# KiCad board BMEK_Solder.kicad_pcb (continued)
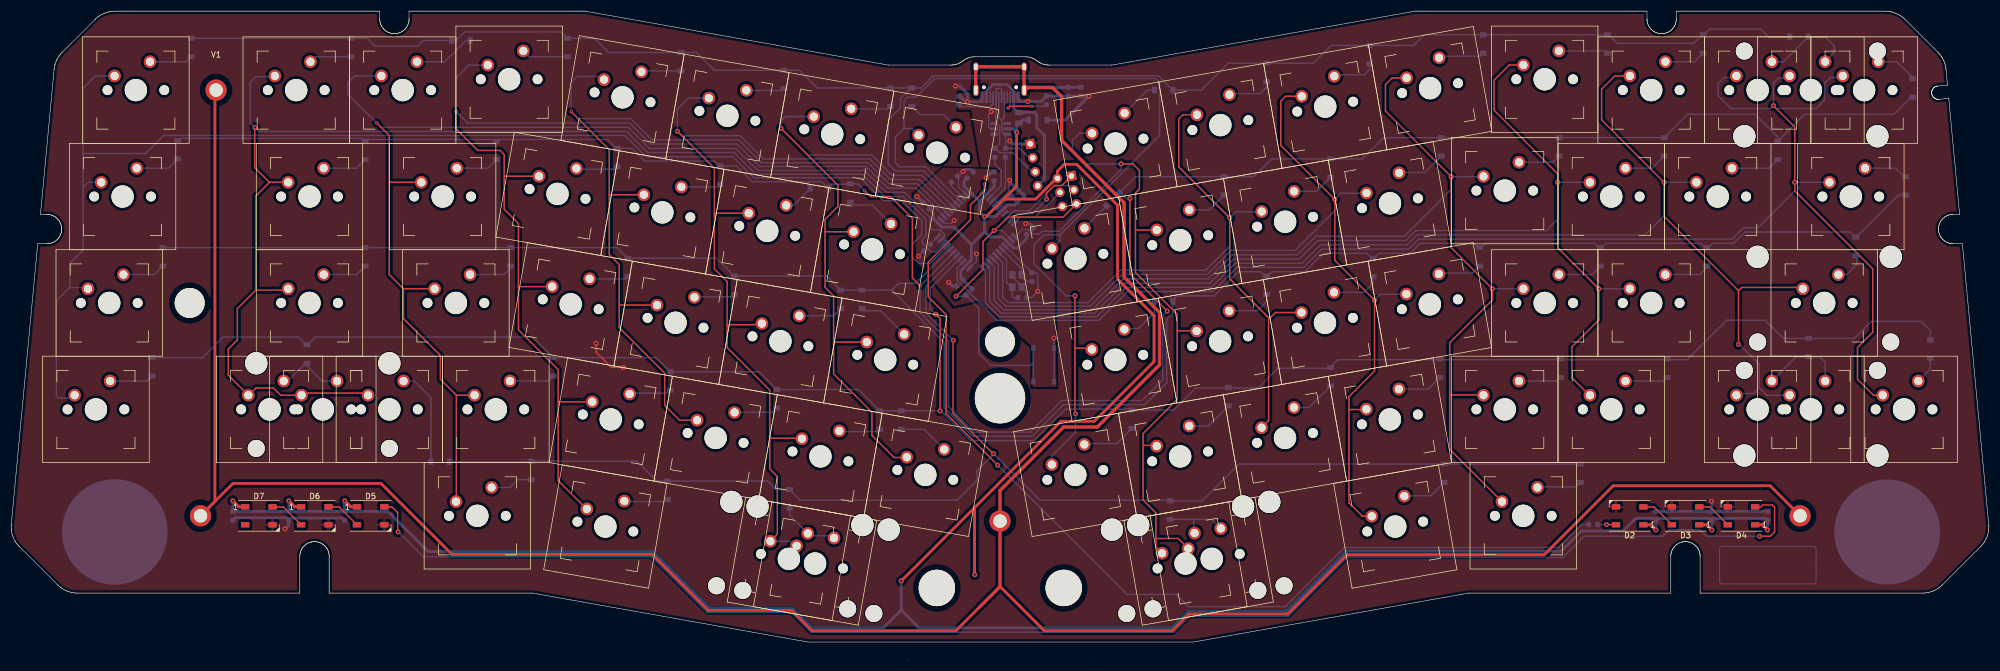
[diagram p0: board, top side]
## Routing (per net, layer and track width the routed paths; a pad name or vN(x,y) marks a point on that pad's centre or on a via; arc(x,y) is an arc through that point)
GND: length 145.7
  Front w0.254: v1(104.65,56.64) 104.65,55.07 107.37,52.35 v1(109.5,52.35)
  Back w0.254: SW1.1 SW1.1 ; U1.43 169.5,84.66 169.5,86.64 v1(170.29,87.42) ; 172.7,72.72 v1(172.7,72.67) 172.7,71.35 171.47,70.12 ; 180.81,66.58 181.69,65.71 C1.1 182.55,64.82 183.67,65.94 v1(183.67,65.96) 183.67,69.01 183.37,69.31 C2.2 177.87,74.08 U1.15 ; U2.2 175.16,95.04 174.86,95.35 174.86,97.64 v1(175.34,98.12) ; v1(304.22,28.37) 304.26,28.33 ; v1(178.64,85.85) 178.52,85.72 178.52,83.94 176.15,81.58 ; 179.11,68.59 180.81,66.89 ; v1(186.58,57.59) 186.58,55.79 ; v1(168.71,78.64) 168.2,78.13 166.98,78.13 166.37,78.75 ; R7.2 v1(162.32,72.26)
  Back w0.508: 169.13,66.88 168.43,66.88 v1(167.72,67.59) ; 304.26,28.33 C13.1 ; C13.1 C14.1 ; C13.1 C12.1 ; v1(192.82,100.89) 188.55,96.62 D1.2 ; v1(178.64,85.85) 178.64,85.57 180.03,84.18 ; 173.7,100.24 173.36,99.9 v1(171.12,99.9) ; C5.2 C3.1 ; R3.2 169.77,100.9 170.74,99.92 171.1,99.92 v1(171.12,99.9) ; v1(168.94,102.72) 169.7,102.72 171.12,101.29 v1(171.12,99.9) ; v1(174.43,86.28) 175.47,87.32 ; v1(181.51,78.08) 182.27,78.08 182.78,77.57 ; 192.82,100.91 C11.1 R5.1 R4.2 184.23,99.95 v1(181.87,99.95) 180.52,99.95 180.15,100.32 ; 59.28,25.37 50.04,25.37 ; C10.2 171.76,87.73 170.59,87.73 v1(170.29,87.42) ; C9.2 v1(162.07,82.93) ; C17.1 40.09,25.42 49.22,25.42 C16.1 49.66,24.1 v1(49,23.44) ; v1(178.64,92.89) 179.18,92.35 J1.1
VBUS: length 28.1
  Back w0.508: 180.17,97.94 179.38,98.73 179.38,101.04 ; 180.09,98.02 183.01,98.02 183.49,97.53 183.49,95.27 184.87,93.9 184.87,86.06 J1.4 ; 174.44,101.04 174.44,101.74 175.67,102.97 178.19,102.97 179.38,101.78 179.38,101.07
VCC: length 536.4
  Front w0.508: 172.36,27.24 172.36,15.28 v1(172.39,15.24) ; 172.36,27.24 v1(159.24,14.12) ; 172.36,27.24 187.81,42.7 193.78,42.7 204.47,53.39 204.47,61.62 197.95,68.15 197.95,81.38 190.63,88.69 188.42,88.69 187.19,87.46 J2.2 ; v1(174.13,79.37) 174.48,79.37 177.58,82.47 ; D6.1 50.75,27.38 v1(49.66,28.47) ; 177.58,82.47 179.89,84.78 179.89,94.38 v1(179.91,94.41) ; 177.58,82.47 183.29,82.47 186.99,86.17 ; D7.1 40.75,27.38 v1(39.65,28.47) ; v1(294.26,23.24) 293.32,24.18 D2.1 ; v1(59.67,28.47) 60.76,27.38 D5.1 ; v1(314.23,23.24) 313.29,24.18 D4.1 ; v1(304.27,23.24) 303.33,24.18 D3.1
  Back w0.254: 172.67,75.18 171.78,74.29 ; v1(294.26,23.24) 294.26,23.25 ; 171.78,74.36 171.85,74.36 ; v1(314.23,23.24) 314.26,23.27 ; v1(304.27,23.24) 304.26,23.25
  Back w0.508: 177.24,80.44 176.17,79.37 v1(174.13,79.37) ; C7.1 181.67,75.36 180.03,73.72 179.34,73.72 178.42,74.65 ; U2.5 179.28,95.04 v1(179.91,94.41) 179.91,95.81 180.37,96.26 ; 165.8,78.18 166.51,77.47 168.67,77.47 171.78,74.36 ; C15.2 C16.2 ; C15.2 59.66,28.46 ; C15.2 67.42,26.57 74.58,19.4 114.81,19.4 124.92,9.29 139.81,9.29 143.39,5.71 156.04,5.71 159.24,8.91 ; C16.2 49.66,28.47 ; C16.2 C17.2 ; v1(174.13,79.37) 174.13,76.64 ; v1(174.13,79.37) 173.26,80.25 173.26,82.12 ; 174.13,76.64 175.09,75.69 177.34,75.69 U1.14 ; 174.13,76.64 171.85,74.36 ; C10.1 170.46,85.67 170.46,84.83 U1.44 ; C9.1 164.99,80.01 164.99,78.99 U1.34 ; C5.1 179.47,81.4 178.26,81.4 177.3,80.44 ; 304.26,23.25 C13.2 ; 159.24,8.91 v1(159.24,14.12) 159.36,13.99 ; 159.24,8.91 162.44,5.71 207.62,5.71 210.62,8.71 228.17,8.71 238.89,19.43 277.3,19.43 280.93,23.06 288.4,23.06 290.66,25.32 293.81,25.32 294.14,24.99 ; 180.57,96.24 180.98,96.64 182.02,96.64 ; 175.85,85.72 175.85,84.71 174.42,83.28 ; 169.9,68.33 169.9,69.68 170.89,70.67 ; 171.46,83.84 173.23,82.07 173.23,82.09 174.41,83.27 ; U1.24 171.78,71.58 171.78,74.29 ; v1(39.65,28.47) 39.65,26.57 ; 303.92,25.32 294.59,25.32 ; 314.26,23.27 C14.2 ; 294.26,23.25 C12.2 ; 313.92,25.32 304.59,25.32 ; 170.31,67.99 R6.1
  Back w0.6: 49.66,28.47 v1(49.66,28.47) ; 59.66,28.46 v1(59.67,28.47)
COL0: length 246.2
  Back w0.254: 12.85,90.62 12.85,73.35 10.47,70.97 10.47,66.65 8.09,64.27 8.09,47.31 8.55,46.85 10.84,46.85 ; 12.85,90.62 24.03,90.62 27.26,93.85 109.81,93.85 113.62,90.04 129.11,90.04 132.87,86.28 151.92,86.28 156.04,82.17 159.34,82.17 162.89,78.61 162.89,76.07 161.24,74.42 161.24,72.07 162.37,70.94 164.36,70.94 U1.30 ; 12.85,90.62 12.85,102.31 15.07,104.52 MX_0_0.1 ; MX_1_0.1 13.8,85.47 12.85,84.53 ; 10.44,66.62 13.53,66.62
COL1: length 233.9
  Front w0.254: 52.23,47.75 63.47,47.75 ; MX_3_1.1 48.21,47.37 46.91,48.68 43.82,48.68 42.51,47.37 ; 43.77,66.16 43.77,83.02 46.22,85.47 ; 43.77,66.16 40.47,62.86 40.47,57.25 38.85,55.64 38.85,50.94 MX_3_1b1.1 ; 43.77,66.16 49.31,66.16 ; 46.22,85.47 MX_1_1.1 ; 46.22,85.47 46.21,85.47 43.57,88.11 43.57,95.21 v1(43.63,95.27)
  Back w0.254: 47.04,104.38 43.77,104.38 42.78,103.39 42.78,96.11 43.62,95.27 v1(43.63,95.27) 44.31,94.59 110.09,94.59 113.87,90.8 129.37,90.8 133.25,86.92 152.3,86.92 156.29,82.93 159.59,82.93 163.66,78.86 163.66,75.88 163.02,75.25 163.02,74.61 164.61,73.02 165.31,73.02 U1.31
COL2: length 216.1
  Front w0.254: 67.64,85.47 67.64,68.96 70.18,66.42 ; 67.64,85.47 67.64,93.85 v2(65.41,96.09) ; 67.64,85.47 MX_1_2.1 ; 79.65,47.37 79.65,28.37 ; 79.65,47.37 76.79,50.23 76.79,54.48 70.18,61.08 70.18,66.42 ; 79.65,47.37 MX_3_2.1 ; 70.18,66.42 MX_2_2.1
  Back w0.254: MX_0_2.1 61.42,104.52 60.28,103.38 60.28,101.22 v2(65.41,96.09) 66.17,95.32 110.37,95.32 114.15,91.54 129.65,91.54 133.58,87.6 152.63,87.6 156.54,83.69 159.85,83.69 164.36,79.18 164.36,77.47 164.86,76.96 166.22,76.96 166.96,76.22 166.96,75.81 U1.32
COL3: length 209.3
  Front w0.254: 97.87,46.16 97.9,46.19 MX_3_3.1 ; 97.87,46.16 97.87,32.08 102.93,27.02 ; 97.87,46.16 97.87,51.94 90.76,59.05 90.76,66.76 ; MX_1_3.1 88.24,86.56 88.22,86.59 ; 90.76,66.76 90.76,78.1 88.22,80.64 88.22,86.59 ; 90.76,66.76 90.8,66.8 MX_2_3.1 ; 88.22,86.59 88.22,90.45 87.48,91.18 83.47,91.18 79.58,95.07 v2(79.58,98.17)
  Back w0.254: 166.96,79.37 161.88,84.45 156.8,84.45 152.94,88.31 133.89,88.31 129.87,92.33 114.38,92.33 110.6,96.11 81.64,96.11 v2(79.58,98.17) 79.58,104.14 81.9,106.46 MX_0_3.1
COL4: length 165.2
  Front w0.254: MX_3_4.1 119.59,42.89 116.92,45.55 116.92,51.33 108.79,59.46 108.79,70.74 107.01,72.51 107.01,83.3 ; 107.01,83.3 107.01,91.31 100.16,98.17 ; 107.01,83.3 107.06,83.25 MX_1_4.1 ; MX_2_4.1 108.89,63.49 108.79,63.4
  Back w0.254: 105.5,104.42 101.27,104.42 100.16,103.31 100.16,98.17 ; v2(100.22,98.11) 101.45,96.87 110.85,96.87 114.66,93.06 130.15,93.06 134.24,88.97 153.29,88.97 157.05,85.21 162.13,85.21 167.47,79.88
COL5: length 168.9
  Front w0.254: 128.1,59.99 128.1,67.69 125.81,69.97 125.81,79.96 ; 128.1,59.99 128.1,55.9 135.72,48.28 135.72,39.66 ; 128.1,59.99 134.12,59.99 ; 135.72,39.66 135.72,34.16 137.08,32.8 137.08,22.48 MX_4_5.1 ; 135.72,39.66 141.4,39.66 ; 125.81,79.96 125.82,79.94 MX_1_5.1 ; 125.81,79.96 125.81,88.01 119.22,94.6 v1(119.19,94.6)
  Back w0.254: 167.97,80.52 162.51,85.98 157.31,85.98 153.62,89.66 134.57,89.66 130.41,93.83 119.97,93.83 v1(119.19,94.6) 119.19,98.58 121.16,100.54 124.83,100.54 ; MX_4_5.1 139.4,21.23 140.23,20.4
COL6: length 126.7
  Front w0.254: 145.62,76.55 145.62,66.67 147.15,65.15 147.15,51.18 154,44.32 154,40.17 157.95,36.22 160.19,36.22 ; 145.62,76.55 145.71,76.64 MX_1_6.1 ; 145.62,76.55 145.62,78.86 147.91,81.15 147.91,84.96 v1(137.75,95.12) ; MX_2_6.1 147.19,56.88 147.15,56.83
  Back w0.254: MX_0_6.1 138.53,97.24 137.75,96.45 v1(137.75,95.12) 142.5,90.37 153.93,90.37 157.56,86.74 162.89,86.74 168.61,81.02
COL7: length 167.9
  Front w0.254: v1(190.33,65.15) 190.33,55.78 ; 190.33,55.78 193.12,55.78 ; 190.33,55.78 190.33,44.14 v1(190.43,44.04)
  Back w0.254: 159.74,95.12 158.2,93.57 158.2,89.02 158.96,88.26 163.64,88.26 U1.41 ; 159.74,95.12 159.74,100.1 160.35,100.71 161.88,100.71 165.23,104.06 204.75,104.06 205.46,103.35 205.46,93.88 187.66,76.07 ; 159.74,95.12 161.16,95.12 MX_0_7.1 ; MX_1_7.1 187.66,75.09 187.66,76.07 ; 187.66,76.07 184.74,76.07 182.99,74.32 182.99,70.9 188.74,65.15 v1(190.33,65.15) ; v1(190.43,44.04) 190.43,40.74 186.19,36.5 MX_3_7.1
COL8: length 137.1
  Front w0.254: 201.15,76.92 201.15,83.59 201.86,84.3 201.86,87.6 200.69,88.77 v1(198.58,88.77) ; 201.15,76.92 201.15,69.34 208.61,61.87 208.61,58.9 ; 201.15,76.92 204.95,76.92 ; 204.8,21.71 204.8,26.29 202.52,28.57 202.52,38.39 ; 204.8,21.71 204.8,20.19 MX_4_8b1.1 ; 204.8,21.71 208.8,21.71 MX_4_8.1 ; 208.61,58.9 212.06,58.9 ; 208.61,58.9 208.61,46.61 202.52,40.51 202.52,38.39 ; 202.52,38.39 204.82,38.39
  Back w0.254: 179.79,75.5 179.79,75.93 180.9,77.04 181.84,77.04 182.63,76.25 183.98,76.25 184.43,76.71 187.47,76.71 198.58,87.82 v1(198.58,88.77) 192.1,88.77 189.87,91.01 189.87,93 191.12,94.25 MX_0_8.1
COL9: length 136.7
  Front w0.254: MX_0_9.1 209.63,97.55 208.91,96.84 208.91,88.22 v1(218.01,79.12) 218.01,68.2 225.12,61.08 ; 225.12,61.08 224.97,60.93 224.97,42.82 MX_3_9.1 ; 225.12,61.08 225.12,61.1 226.19,62.17 MX_2_9.1
  Back w0.254: U1.18 177.37,71.13 177.37,64.89 178.33,63.94 192.68,63.94 198.45,69.72 213.69,69.72 218.01,74.04 v1(218.01,79.12) 219.09,80.2 223.68,80.2
COL10: length 182.7
  Front w0.254: MX_0_10.1 228.01,100.86 227.16,100.01 227.16,92.07 v1(236.81,82.42) 236.81,71.5 v1(243.92,64.39) 243.92,51.69 239.35,47.11 239.35,44.8 ; 239.35,44.8 242.41,44.8 ; 239.35,44.8 239.35,28.06 239.39,28.06 241.76,25.7 MX_4_10.1
  Back w0.254: 249.58,65.43 244.96,65.43 v1(243.92,64.39) ; 242.45,83.51 237.9,83.51 v1(236.81,82.42) 236.81,80.39 229.7,73.28 218.27,73.28 213.95,68.96 198.71,68.96 193.06,63.31 177.94,63.31 176.61,64.64 176.61,70.76 U1.19
COL11: length 212.1
  Front w0.254: 257.38,47.42 257.38,37.68 266.72,28.34 ; 257.38,47.42 257.38,56.77 265,64.39 v1(265,66.42) 257.64,73.78 v1(257.64,86.48) 245.88,98.25 245.88,102.98 247.06,104.17 MX_0_11.1 ; 257.38,47.42 263.37,47.42
  Back w0.254: v1(265,66.42) MX_2_11.1 ; U1.20 175.85,70.39 175.85,64.39 177.56,62.67 193.44,62.67 198.96,68.2 214.2,68.2 218.5,72.49 230.08,72.49 233.4,75.82 249.25,75.82 257.64,84.2 v1(257.64,86.48) 263.37,86.48
COL12: length 208
  Front w0.254: MX_0_12.1 268,106.46 265.31,103.77 265.31,98.37 276.69,86.99 v1(276.69,85.47) 276.69,73.78 v1(284.05,66.42) 284.05,60.83 279.23,56 279.23,50.49 282.35,47.37
  Back w0.254: v1(284.05,66.42) MX_2_12.1 ; MX_1_12.1 v1(276.69,85.47) 276.69,78.86 274.65,76.83 251.29,76.83 249.51,75.05 233.76,75.05 230.46,71.75 218.77,71.75 214.46,67.43 199.22,67.43 193.82,62.04 177.18,62.04 175.09,64.13 175.09,70.02 U1.21
COL13: length 240.5
  Front w0.254: MX_0_13.1 286.92,104.52 284.55,102.14 284.55,96.66 v1(295.74,85.47) 295.74,79.37 309.05,66.06 ; 320.32,66.66 309.64,66.66 309.05,66.06 ; 309.05,66.06 v1(309.05,56.46)
  Back w0.254: 308.94,56.46 v1(309.05,56.46) 309.2,56.46 312.75,52.91 312.75,48.74 ; 312.75,48.74 311.69,47.67 308.96,47.67 ; 312.75,48.74 314.13,47.37 MX_3_13b1.1 ; MX_1_13.1 v1(295.74,85.47) 295.74,79.5 292.31,76.07 251.54,76.07 249.76,74.29 234.27,74.29 230.97,70.99 219.03,70.99 214.71,66.67 199.47,66.67 194.2,61.4 176.8,61.4 174.32,63.88 174.32,69.65
COL14: length 277.1
  Front w0.254: MX_3_14.1 333.18,47.37 330.33,50.21 330.33,55.9 333.07,58.65 333.07,69.97 319.1,83.94 v1(319.1,85.47) 319.1,95.37 v1(315.29,99.18)
  Back w0.254: 317.79,104.13 316.2,104.13 315.29,103.22 v1(315.29,99.18) ; MX_2_14.1 v1(319.1,85.47) 319.1,83.94 312.5,77.34 309.96,77.34 307.93,75.31 251.79,75.31 250.02,73.53 234.52,73.53 231.25,70.25 219.31,70.25 214.96,65.91 199.72,65.91 194.58,60.77 176.42,60.77 169.24,67.94 169.24,70.17 U1.25 ; 327.44,104.25 325.49,104.25 324.43,103.19 324.43,100.2 322.91,98.68 315.8,98.68 v1(315.29,99.18) ; 308.39,104.25 306.51,104.25 305.38,103.13 305.38,100.97 307.67,98.68 314.79,98.68 v1(315.29,99.18)
D+: length 19.3
  Back w0.254: 177.69,94.09 177.22,94.56 177.22,96.59 ; 177.91,94.03 R1.2 179.15,91.54 180.42,91.54 182.11,89.85 ; 177.22,96.59 176.69,97.13 176.69,100.99 ; 177.22,96.59 177.68,97.05 177.68,101.04
D-: length 21.5
  Back w0.254: 176.18,96.06 176.18,102.03 176.43,102.28 176.94,102.28 177.18,102.05 177.18,101.04 ; 176.3,95.99 176.84,95.45 176.84,92.38 R2.2 ; 176.1,91.54 176.89,90.75 179.25,90.75 182.66,87.35
Earth: length 540.4
  Front w0.508: 34.23,26.12 36.45,28.34 36.45,101.62 ; 176.91,13.1 176.94,13.1 184.84,5.2 207.73,5.2 210.72,8.2 228.38,8.2 238.97,18.79 274.27,18.79 286.64,31.16 314.71,31.16 320.06,25.82 ; 173.31,9.5 169.02,5.2 143.29,5.2 139.65,8.84 124.72,8.84 114.69,18.87 78.87,18.87 66.17,31.57 39.67,31.57 33.88,25.78
  Front w0.6: 181.26,101.83 181.87,102.44 186.31,102.44 187.94,100.81 187.94,92.99 199.11,81.81 199.11,68.53 205.46,62.18 205.46,52.8 194.34,41.68 188.29,41.68 176.91,30.3 176.91,13.1 173.31,9.5 ; 181.21,101.88 181.21,106.17 172.57,106.17 172.57,101.95
  Back w0.508: R5.2 C11.2
  Back w0.6: 188.83,102.44 181.22,102.44
MISO: length 10.4
  Back w0.254: 187.63,83.64 183.24,79.25 180.58,79.25 U1.11
MOSI: length 14.7
  Front w0.254: v1(185.25,82.45) 185.25,83.54 186.61,84.9 187.98,84.9 J2.1
  Back w0.254: 178.97,78.75 180.04,79.82 182.67,79.82 185.25,82.4 v1(185.25,82.45)
RESET: length 64.7
  Front w0.254: 190.58,81.6 188.23,79.25 178.33,79.25 175.91,76.83 v1(175.85,76.83) 173.87,74.85 173.87,69.9 v1(169.05,65.09)
  Back w0.254: 178.93,75.21 177.31,76.83 v1(175.85,76.83) ; 182.84,53.14 SW1.2 ; 182.84,53.14 SW1.2 ; 182.84,53.14 182.4,52.7 175.28,52.7 173.12,54.86 173.12,62.96 R6.2 ; v1(169.05,65.09) 170.58,65.09
ROW0: length 330.2
  Back w0.254: 169.24,81.53 163.28,87.5 158.2,87.5 156.93,88.77 156.93,96.64 159.08,98.8 159.08,100.45 160.99,102.36 ; DU_0_12.1 DU_0_11.1 252.81,111.88 250.9,109.98 DU_0_10.1 236.17,109.98 233,106.8 DU_0_9.1 217.76,106.8 212.93,101.98 DU_0_8.1 205.29,104.54 164.99,104.54 162.8,102.36 DU_0_7.1 144.23,102.36 141.05,105.53 DU_0_5.1 125.81,105.53 122.64,108.71 DU_0_4.1 106.89,108.71 104.35,111.25 DU_0_3.1 98.38,112.39 81.11,112.39 79.58,110.87 DU_0_2.1 73.74,110.87 72.72,109.85 65.1,109.85 63.71,111.25 DU_0_1.1 DU_0_0.1 ; DU_0_14.1 314.41,111.5 313.01,112.9 303.86,112.9 302.85,111.88 ; 302.59,111.88 301.07,110.36 287.35,110.36 285.83,111.88
ROW1: length 415.3
  Front w0.254: v1(206.84,62.43) 200.16,69.11 v1(200.16,82.57) ; v2(152.67,84) 153.74,82.93 157.32,82.93 161.24,79 161.24,68.34 v2(162.63,66.95)
  Back w0.254: 63.83,93.09 63.9,93.15 86.38,93.15 ; 62.82,93.09 62.56,93.34 30.18,93.34 ; 87.25,93.14 106.71,93.14 108.29,91.56 ; DU_1_6.1 151.45,85.21 v2(152.67,84) ; 339.93,100.71 336.88,97.66 320.88,97.66 DU_1_13.1 316.06,93.6 311.99,97.66 299.93,97.66 DU_1_12.1 DU_1_11.1 DU_1_10.1 245.57,93.47 241.76,89.66 DU_1_9.1 225.5,89.66 222.33,86.48 DU_1_8.1 201.2,86.48 DU_1_7.1 ; 168.62,72.95 v2(162.63,66.95) 162.62,66.94 162.62,62.13 167.72,57.02 167.72,45.34 172.29,40.76 182.33,40.76 187.99,46.43 202.34,46.43 206.02,50.11 206.02,61.62 v1(206.84,62.43) ; 126.7,88.39 125.81,89.28 113.36,89.28 111.08,91.56 DU_1_3.1 ; v1(200.16,82.57) 199.42,82.57 198.41,83.59 ; 150.13,85.15 146.83,85.15 146.13,84.45 145.01,85.57 132.57,85.57 129.75,88.39 DU_1_4.1
ROW2: length 372.5
  Back w0.254: DU_2_6.1 DU_2_5.1 145.88,68.7 DU_2_4.1 126.19,71.88 DU_2_3.1 108.41,73.78 DU_2_2.1 DU_2_1.1 DU_2_0.1 ; 157.56,66.16 166.96,56.77 166.96,45.11 172.06,40 182.6,40 188.27,45.67 202.82,45.67 206.73,49.58 206.73,60.98 207.85,62.1 DU_2_7.1 ; 157.56,66.16 158.79,67.4 161.84,67.4 167.96,73.51 ; 157.56,66.16 155.78,66.16 155.78,66.16 152.23,66.16 ; 330.15,75.69 337.65,83.18 DU_2_14.1 ; 243.48,71.88 242.59,72.77 234.78,72.77 231.47,69.47 225.63,69.47 224.87,68.7 ; 329.84,75.69 328.95,76.58 310.21,76.58 308.18,74.55 304.37,74.55 303.61,73.78 ; 262.97,73.78 263.73,74.55 283.29,74.55 284.05,73.78 ; 262.46,73.78 261.7,74.55 252.05,74.55 250.27,72.77 244.68,72.77 244.17,72.26 ; 284.56,73.78 285.32,74.55 302.34,74.55 303.1,73.78 ; 207.85,64.39 208.61,65.15 215.22,65.15 219.54,69.47 223.6,69.47 224.36,68.7
ROW3: length 371.8
  Front w0.254: v1(165.43,61.85) 166.2,61.08 v1(166.2,44.57)
  Back w0.254: U1.26 164.42,66.48 164.42,62.86 v1(165.43,61.85) ; DU_3_7.1 207.98,44.7 211.92,48.64 223.09,48.64 226.65,52.19 235.79,52.19 237.32,53.72 299.85,53.72 306.91,60.78 313.82,60.78 317.07,57.53 329.77,57.53 332.82,60.58 341.71,60.58 343.36,58.93 DU_3_14.1 ; 53.17,56.51 54.44,57.78 93.3,57.78 DU_3_2.1 115.4,54.1 DU_3_3.1 133.81,51.56 DU_3_4.1 151.59,48.38 DU_3_5.1 DU_3_6.1 v1(166.2,44.57) 166.3,44.57 171.63,39.24 183.01,39.24 188.65,44.88 200.31,44.88 ; DU_3_0.1 34.24,54.1 37.93,57.78 51.39,57.78 52.66,56.51
ROW4: length 258.6
  Front w0.254: v1(168.56,57.2) 168.51,57.15 168.51,44.09 175.7,36.9 v1(175.75,36.9)
  Back w0.254: DU_4_11.1 DU_4_10.1 219.66,35.05 213.06,28.44 DU_4_8.1 ; DU_4_2.1 111.97,35.56 115.52,32 DU_4_3.1 135.34,32 136.86,30.48 DU_4_5.1 141.18,28.57 169.27,28.57 172.8,32.1 172.8,33.83 175.75,36.78 v1(175.75,36.9) 184.08,28.57 207.22,28.57 ; U1.27 163.66,66.85 163.66,62.1 v1(168.56,57.2) ; DU_4_1.1 92.97,35.48
SCK: length 14.4
  Back w0.254: J2.3 189.35,84.9 186.61,84.9 182.1,80.39 179.46,80.39 U1.9
WSDATA: length 183
  Front w0.254: v1(176.48,34.85) 176.48,34.87 167.29,44.07 167.29,61.77 164.09,64.97 164.09,71.22 171.63,78.76 171.63,81.43 174.15,83.94 v2(174.15,85.16)
  Back w0.254: R8.1 280.95,24.2 276.86,20.11 238.55,20.11 227.96,9.52 210.65,9.52 208.46,11.71 199.65,11.71 176.51,34.85 v1(176.48,34.85) ; v2(174.15,85.16) 174.15,84.12
XTAL1: length 10.2
  Back w0.254: C1.2 179.38,64.82 179.11,65.08 Y1.1 ; 176.69,72.95 178.08,71.55 178.08,67.54 179.1,66.52
XTAL2: length 8.3
  Back w0.254: 177.26,73.51 180.75,70.03 180.75,68.78 ; C2.1 181.64,67.74 180.81,68.57
Net-(C3-Pad2): length 2.8
  Back w0.254: 178.67,82.99 U1.6
Net-(C4-Pad2): length 3.6
  Back w0.254: 168.2,85.44 168.2,84.83 U1.42
Net-(D2-Pad2): length 6.4
  Front w0.254: D2.2 293.92,27.38 D3.4
Net-(D2-Pad4): length 3.3
  Front w0.254: v1(285.42,24.2) 287.09,24.2
  Back w0.254: R8.2 v1(285.42,24.2)
Net-(D3-Pad2): length 6.4
  Front w0.254: D3.2 303.92,27.38 D4.4
Net-(D4-Pad2): length 276.6
  Front w0.254: v1(312.83,22.12) 314.74,22.12 315.5,22.88 315.5,27.3 315.09,27.71 313.39,27.71 313.06,27.38 D4.2 ; v1(69.22,22.91) 69.14,22.98 69.14,26.36 68.13,27.38 D5.4
  Back w0.254: v1(312.83,22.12) 303.28,22.12 302.11,23.29 296.7,23.29 295.53,22.12 281.41,22.12 277.6,18.31 239.02,18.31 228.53,7.82 210.88,7.82 208,4.95 143.08,4.95 139.58,8.46 124.57,8.46 114.56,18.46 73.72,18.46 69.27,22.91 v1(69.22,22.91)
Net-(D5-Pad2): length 6.4
  Front w0.254: D6.4 58.67,27.38 D5.2
Net-(D6-Pad2): length 6.4
  Front w0.254: D6.2 48.67,27.38 D7.4
Net-(DU_0_0-Pad2): length 7.7
  Back w0.254: DU_0_0.2 31.32,107.06 MX_0_0.2
Net-(DU_0_1-Pad2): length 7.6
  Back w0.254: DU_0_1.2 54.42,107.95 MX_0_1.2
Net-(DU_0_2-Pad2): length 11.1
  Back w0.254: MX_0_2.2 77.55,107.06 81.36,110.87 DU_0_2.2
Net-(DU_0_3-Pad2): length 8.3
  Back w0.254: DU_0_3.2 92.68,107.95 MX_0_3.2
Net-(DU_0_4-Pad2): length 6.9
  Back w0.254: 112.92,105.41 DU_0_4.2
Net-(DU_0_5-Pad2): length 6.8
  Back w0.254: 131.56,101.9 137.93,101.9 DU_0_5.2
Net-(DU_0_6-Pad2): length 7.1
  Back w0.254: 157.24,99.06 156.8,98.61 150.31,98.61
Net-(DU_0_7-Pad2): length 9.5
  Back w0.254: MX_0_7.2 166.79,97.58 162.59,97.58 DU_0_7.2
Net-(DU_0_8-Pad2): length 7.1
  Back w0.254: MX_0_8.2 203.33,101.98 204.55,101.98
Net-(DU_0_9-Pad2): length 8
  Back w0.254: DU_0_9.2 224.62,102.49 223.47,101.34 218.15,101.34
Net-(DU_0_10-Pad2): length 7.5
  Back w0.254: 236.96,104.71 242.08,104.71 243.03,105.66 DU_0_10.2
Net-(DU_0_11-Pad2): length 7.8
  Back w0.254: 263.35,108.58 262.82,108.05 255.76,108.05
Net-(DU_0_12-Pad2): length 8.3
  Back w0.254: MX_0_12.2 285.16,109
Net-(DU_0_13-Pad2): length 7.4
  Back w0.254: MX_0_13.2 301.2,107.06 302.72,108.58
Net-(DU_0_14-Pad2): length 17.2
  Back w0.254: MX_0_14.2 317.07,107.06 DU_0_14.2 324.57,111.5 326.18,109.89 326.18,108.7 MX_0_14b1.2
Net-(DU_1_0-Pad2): length 8
  Back w0.254: MX_1_0.2 28.15,88.01 DU_1_0.2
Net-(DU_1_1-Pad2): length 8
  Back w0.254: MX_1_1.2 61.8,88.01 DU_1_1.2
Net-(DU_1_2-Pad2): length 7.7
  Back w0.254: MX_1_2.2 85.3,88.01 DU_1_2.2
Net-(DU_1_3-Pad2): length 7.3
  Back w0.254: DU_1_3.2 107.98,87.83 101.26,87.83
Net-(DU_1_4-Pad2): length 7.1
  Back w0.254: 119.9,84.66 126.39,84.66 DU_1_4.2
Net-(DU_1_5-Pad2): length 5.7
  Back w0.254: 138.66,81.35 139.98,81.35 143.08,84.45
Net-(DU_1_6-Pad2): length 8.7
  Back w0.254: 150.32,81.85 150.78,81.39 154.06,81.39 MX_1_6.2
Net-(DU_1_7-Pad2): length 5.6
  Back w0.254: DU_1_7.2 195.28,80.56 195.26,80.56 192.02,77.32
Net-(DU_1_8-Pad2): length 7.3
  Back w0.254: 210.79,80.54 214.35,80.54 DU_1_8.2
Net-(DU_1_9-Pad2): length 7.5
  Back w0.254: DU_1_9.2 233.56,83.87 229.56,83.87
Net-(DU_1_10-Pad2): length 8.7
  Back w0.254: 248.36,87.22 252.91,87.22 DU_1_10.2
Net-(DU_1_11-Pad2): length 7.6
  Back w0.254: MX_1_11.2 275.84,89.07 DU_1_11.2
Net-(DU_1_12-Pad2): length 7.8
  Back w0.254: DU_1_12.2 293.58,88.01 MX_1_12.2
Net-(DU_1_13-Pad2): length 8.8
  Back w0.254: DU_1_13.2 314.53,88.01 MX_1_13.2
Net-(DU_1_14-Pad2): length 7.3
  Back w0.254: MX_1_14.2 337.36,107.06 340.19,104.23
Net-(DU_2_0-Pad2): length 7.7
  Back w0.254: 27.13,70.48 25.61,68.96 MX_2_0.2
Net-(DU_2_1-Pad2): length 8
  Back w0.254: MX_2_1.2 61.8,68.96 63.33,70.48
Net-(DU_2_2-Pad2): length 7.7
  Back w0.254: MX_2_2.2 88.22,68.96 89.36,70.1
Net-(DU_2_3-Pad2): length 7
  Back w0.254: 103.52,68.17 109.91,68.17 DU_2_3.2
Net-(DU_2_4-Pad2): length 7.2
  Back w0.254: 122.31,64.96 128.92,64.96 DU_2_4.2
Net-(DU_2_5-Pad2): length 7.9
  Back w0.254: DU_2_5.2 147.16,61.61 141.03,61.61
Net-(DU_2_6-Pad2): length 9.4
  Back w0.254: DU_2_6.2 152.61,62.48 155.55,62.48 159.76,58.28
Net-(DU_2_7-Pad2): length 8.4
  Back w0.254: 199.31,59.31 201.69,59.31 204.56,62.18 204.56,64.11
Net-(DU_2_8-Pad2): length 8.6
  Back w0.254: 217.95,62.49 222.98,62.49 224.62,64.13 DU_2_8.2
Net-(DU_2_9-Pad2): length 8.8
  Back w0.254: DU_2_9.2 243.67,67.43 242,65.77 MX_2_9.2
Net-(DU_2_10-Pad2): length 7.7
  Back w0.254: 255.58,69.23 261.46,69.23 262.72,70.48
Net-(DU_2_11-Pad2): length 8
  Back w0.254: MX_2_11.2 282.78,68.96 284.31,70.48
Net-(DU_2_12-Pad2): length 7.9
  Back w0.254: 303.36,70.23 302.09,68.96 MX_2_12.2
Net-(DU_2_13-Pad2): length 5.5
  Back w0.254: MX_2_13.2 328.41,68.96 330.22,70.76 330.22,72.2
Net-(DU_2_14-Pad2): length 7.6
  Back w0.254: MX_2_14.2 337.14,88.01 338.66,86.48
Net-(DU_3_0-Pad2): length 7.9
  Back w0.254: DU_3_0.2 24.34,49.91 MX_3_0.2
Net-(DU_3_1-Pad2): length 11.5
  Back w0.254: 49.48,49.91 52.66,53.08 ; MX_3_1.2 55.6,49.91 52.91,52.6 DU_3_1.2
Net-(DU_3_2-Pad2): length 8.1
  Back w0.254: DU_3_2.2 96.1,49.92 89.27,49.92
Net-(DU_3_3-Pad2): length 7.4
  Back w0.254: DU_3_3.2 117.41,47.74 110.8,47.74
Net-(DU_3_4-Pad2): length 7.9
  Back w0.254: DU_3_4.2 136.2,44.3 129.43,44.3
Net-(DU_3_5-Pad2): length 7.3
  Back w0.254: 148.3,40.85 154.98,40.85 155.4,41.27
Net-(DU_3_6-Pad2): length 9.2
  Back w0.254: 159.21,41.27 163.33,41.27 MX_3_6.2
Net-(DU_3_7-Pad2): length 9.4
  Back w0.254: 192.16,38.71 197.79,38.71 DU_3_7.2
Net-(DU_3_8-Pad2): length 8.5
  Back w0.254: 210.78,41.84 214.14,41.84 DU_3_8.2
Net-(DU_3_9-Pad2): length 8.1
  Back w0.254: 229.53,45.17 232.2,45.17 DU_3_9.2
Net-(DU_3_10-Pad2): length 8.2
  Back w0.254: MX_3_10.2 250.66,48.47 250.68,48.46 253.52,48.46 DU_3_10.2
Net-(DU_3_11-Pad2): length 7.7
  Back w0.254: DU_3_11.2 276.56,49.91 MX_3_11.2
Net-(DU_3_12-Pad2): length 7.7
  Back w0.254: MX_3_12.2 295.61,49.91 DU_3_12.2
Net-(DU_3_13-Pad2): length 15
  Back w0.254: 315.02,49.91 319.33,54.23 321.57,54.23 ; 324.58,49.95 324.58,53.24 323.59,54.23 321.59,54.23
Net-(DU_3_14-Pad2): length 5
  Back w0.254: 343.36,53.97 343.36,52.07 MX_3_14.2
Net-(DU_4_1-Pad2): length 17.6
  Back w0.254: MX_4_1.2 72.14,49.91 75.09,46.96 DU_4_1.2
Net-(DU_4_2-Pad2): length 7.7
  Back w0.254: DU_4_2.2 90.64,32.26 89.25,30.86 MX_4_2.2
Net-(DU_4_3-Pad2): length 7.8
  Back w0.254: 109.78,28.33 117.06,28.33 DU_4_3.2
Net-(DU_4_5-Pad2): length 9.8
  Back w0.254: DU_4_5.2 139.27,25.88 MX_4_5.2 ; 142.93,22.22 146.79,22.22
Net-(DU_4_8-Pad2): length 12.1
  Back w0.254: DU_4_8.2 214.78,25.14 MX_4_8.2 ; 211.59,25.14 211.59,22.82
Net-(DU_4_10-Pad2): length 8
  Back w0.254: DU_4_10.2 253.98,29.36 249.31,29.36
Net-(DU_4_11-Pad2): length 7.9
  Back w0.254: DU_4_11.2 279.96,30.96 273.18,30.96
Net-(R1-Pad1): length 8.8
  Back w0.254: U1.4 177.88,84.47 177.88,89.94
Net-(R2-Pad1): length 8.6
  Back w0.254: 175.98,89.99 175.98,88.75 177.12,87.6 177.12,84.83 U1.3
Net-(R3-Pad1): length 8
  Back w0.254: 175.67,101 175.67,99.52 175.16,99.01 169.86,99.01 R3.1
Net-(R4-Pad1): length 9.1
  Front w0.254: v2(182.6,99.06) 182.58,99.08 178.69,99.08 v2(178.36,98.75)
  Back w0.254: 178.68,101.04 178.68,99.06 v2(178.36,98.75) ; v2(182.6,99.06) 182.63,99.08 184.94,99.08
Net-(R7-Pad1): length 1.9
  Back w0.254: 164.47,74.45 U1.33

## Copper pours and planes (outline as drawn; the poured copper is in the pictures)
GND on Front: 356.06,12.44 260.81,11.81 191.6,-0.89 162.39,-0.89 92.54,11.81 -1.44,11.81 8.08,116.58 102.7,116.58 148.42,108.33 204.93,108.33 251.29,116.58 345.27,116.58
GND on Back: 356.06,12.44 260.81,11.81 191.6,-0.89 162.39,-0.89 92.54,11.81 -1.44,11.81 8.08,116.58 102.7,116.58 148.42,108.33 204.93,108.33 251.29,116.58 345.27,116.58
